# KiCad board Mu-cyberdeck-carrier.kicad_pcb (continued)
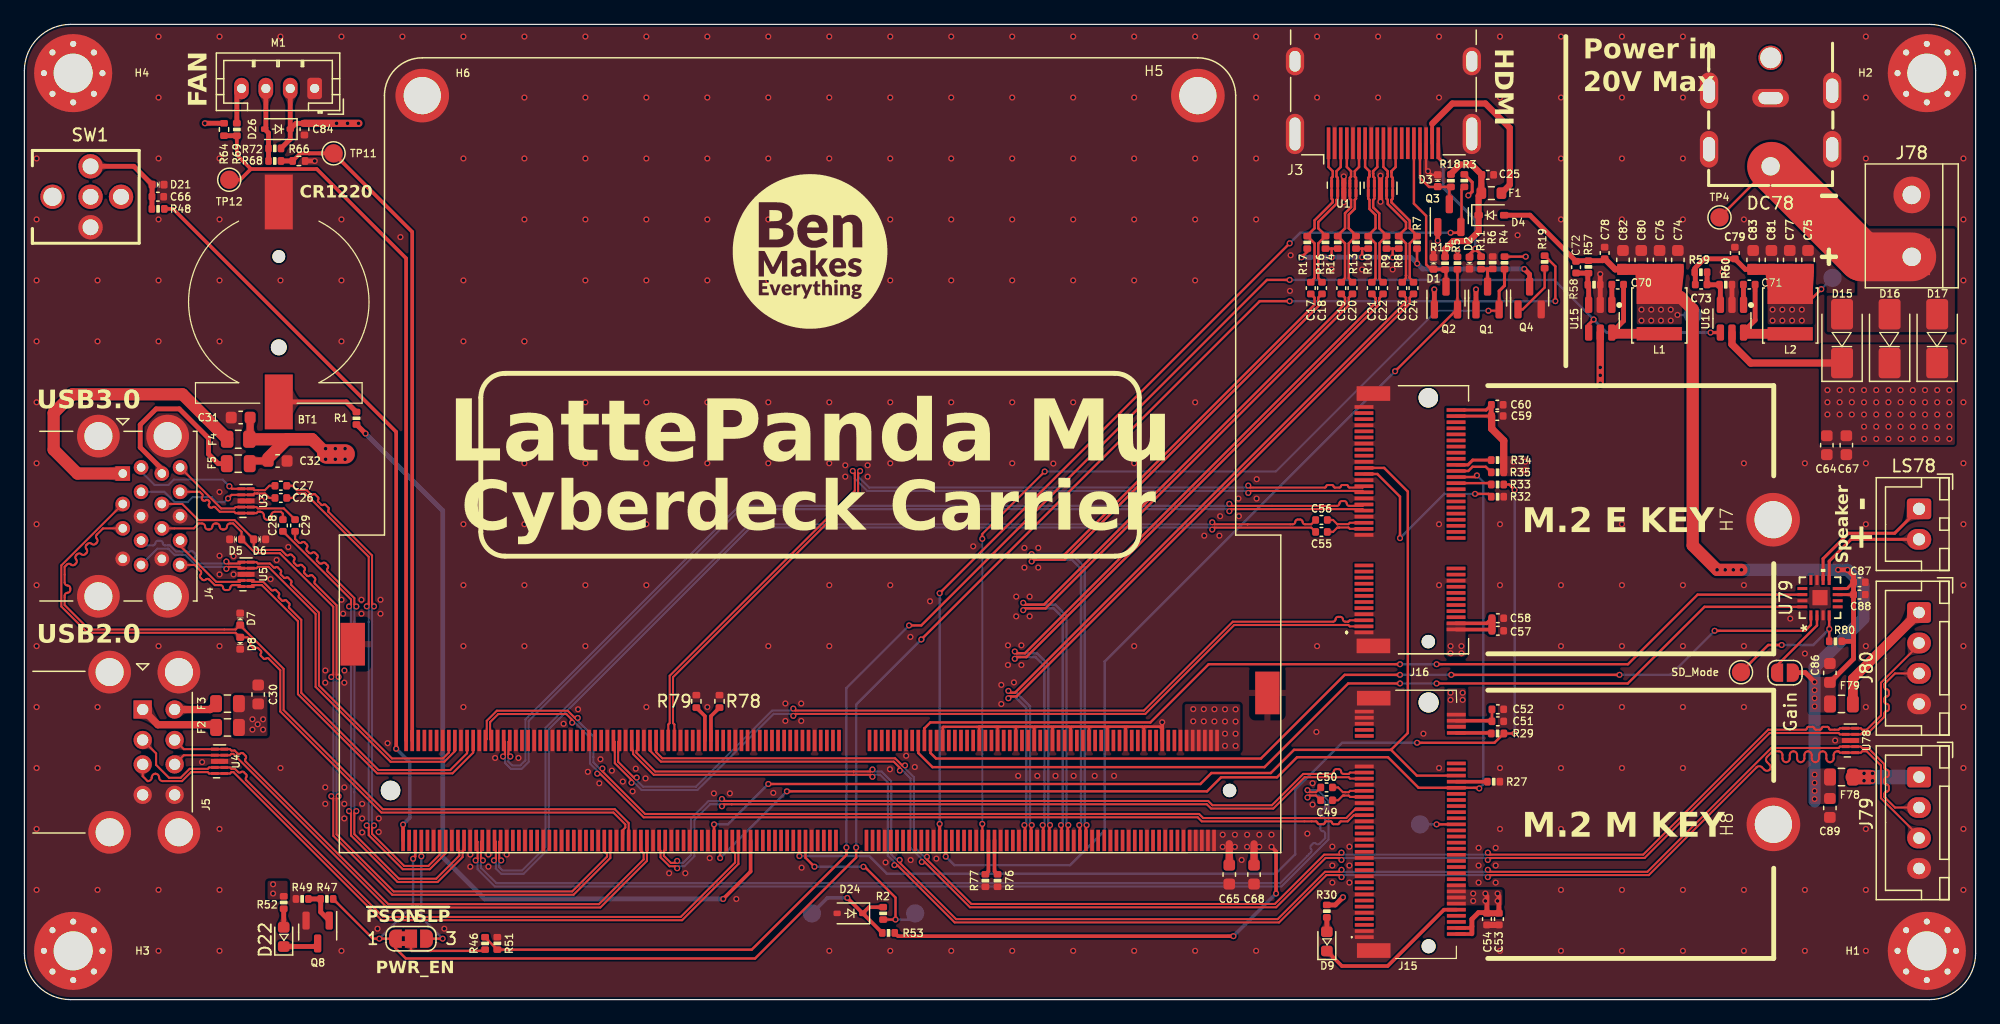
[diagram p0: board, top side]
## Routing (per net, layer and track width the routed paths; a pad name or vN(x,y) marks a point on that pad's centre or on a via; arc(x,y) is an arc through that point) (continued)
/LattePanda Module/HSIO_0_TX-: length 41.2
  Top w0.17: A1.15 34.55,12.01 33.24,10.7 31.03,10.7 28.24,13.49 28.24,14.12 v1(28.07,14.29) ; C26.1 21.98,41.15 22.34,41.52 23.04,41.52 28.24,36.32 28.24,32.43 v1(28.07,32.26)
  Bottom w0.17: v1(28.07,32.26) 28.24,32.1 28.24,31 28.24,14.45 v1(28.07,14.29)
/LattePanda Module/HSIO_1_TX+: length 39.8
  Top w0.17: C29.1 22.2,37.8 22.49,37.5 arc(22.62,37.45) 22.74,37.5 arc(22.87,37.55) 22.99,37.5 23.17,37.32 arc(23.22,37.2) 23.17,37.08 arc(23.11,36.95) 23.17,36.83 23.34,36.65 arc(23.47,36.6) 23.59,36.65 arc(23.71,36.7) 23.84,36.65 24.01,36.48 arc(24.07,36.35) 24.01,36.23 arc(23.96,36.1) 24.01,35.98 24.19,35.8 arc(24.32,35.75) 24.44,35.8 arc(24.56,35.85) 24.69,35.8 24.86,35.63 arc(24.91,35.5) 24.86,35.38 arc(24.81,35.25) 24.86,35.13 27.06,32.94 27.06,32.41 v1(27.22,32.25) ; 35.55,12.33 35.66,12.22 35.66,11.81 33.77,9.92 30.71,9.92 27.06,13.57 27.06,15.3 v1(27.22,15.47)
  Bottom w0.17: v1(27.22,32.25) 27.06,32.08 27.06,31 27.06,15.63 v1(27.22,15.47)
/LattePanda Module/HSIO_1_TX-: length 39.8
  Top w0.17: C28.1 26.78,32.82 26.78,32.41 v1(26.62,32.25) ; 36.05,12.33 35.94,12.22 35.94,11.7 33.88,9.65 30.6,9.65 26.78,13.46 26.78,15.3 v1(26.62,15.47)
  Bottom w0.17: v1(26.62,32.25) 26.78,32.08 26.78,31 26.78,15.63 v1(26.62,15.47)
/LattePanda Module/HSIO_2_RX+: length 79.4
  Top w0.17: J15.43 109.12,15.63 108.39,14.89 96.66,14.89 96.33,15.23 50.9,15.23 47.4,18.73 v1(47.4,18.96) ; A1.28 37.91,21.37 37.91,22.87 38.74,23.7 44.55,23.7 45.14,23.11 v1(45.37,23.11)
  Bottom w0.17: v1(45.37,23.11) 45.37,22.88 46.66,21.59 46.66,19.47 47.16,18.96 v1(47.4,18.96)
/LattePanda Module/HSIO_2_RX-: length 79.4
  Top w0.17: v1(46.97,18.54) 47.21,18.54 50.79,14.95 96.22,14.95 96.55,14.62 105.92,14.62 arc(106,14.59) 106.03,14.51 arc(106.07,14.42) 106.15,14.39 106.52,14.39 arc(106.6,14.42) 106.63,14.51 arc(106.67,14.59) 106.75,14.62 107.12,14.62 arc(107.2,14.59) 107.23,14.51 arc(107.27,14.42) 107.35,14.39 107.72,14.39 arc(107.8,14.42) 107.83,14.51 arc(107.87,14.59) 107.95,14.62 108.51,14.62 109.01,15.13 J15.41 ; v1(44.92,22.72) 44.92,22.95 44.44,23.43 38.85,23.43 38.19,22.76 38.19,21.37 A1.30
  Bottom w0.17: v1(44.92,22.72) 45.15,22.72 46.38,21.48 46.38,19.36 46.97,18.77 v1(46.97,18.54)
/LattePanda Module/HSIO_2_TX+: length 81.1
  Top w0.17: A1.25 37.16,12.94 37.16,11.58 v1(37,11.42) ; v1(105.21,17.18) 105.38,17.02 105.91,17.02 C49.1
  Bottom w0.17: v1(105.21,17.18) 106.07,17.18 106.94,16.31 106.94,13.13 103.08,9.28 38.58,9.28 37.16,10.7 37.16,11.25 v1(37,11.42)
/LattePanda Module/HSIO_2_TX-: length 81.1
  Top w0.17: v1(37.6,11.42) 37.44,11.58 37.44,12.94 A1.27 ; v1(105.21,16.58) 105.38,16.74 105.91,16.74 C50.1
  Bottom w0.17: v1(37.6,11.42) 37.44,11.25 37.44,10.81 38.7,9.55 102.97,9.55 105.5,12.08 arc(105.56,12.22) 105.5,12.36 arc(105.44,12.5) 105.5,12.64 105.65,12.79 arc(105.79,12.84) 105.93,12.79 arc(106.06,12.73) 106.2,12.79 106.66,13.25 106.66,13.62 arc(106.61,13.76) 106.47,13.82 arc(106.33,13.87) 106.27,14.01 106.27,14.22 arc(106.33,14.36) 106.47,14.42 arc(106.61,14.47) 106.66,14.61 106.66,14.82 arc(106.61,14.96) 106.47,15.02 arc(106.33,15.07) 106.27,15.21 106.27,15.42 arc(106.33,15.56) 106.47,15.62 arc(106.61,15.67) 106.66,15.81 106.66,16.2 106.12,16.74 105.38,16.74 v1(105.21,16.58)
/LattePanda Module/HSIO_3_RX+: length 84.3
  Top w0.17: 39.3,20.53 A1.34 39.41,21.14 39.41,20.11 v1(39.25,19.94) ; v1(98.8,40.07) 98.97,40.23 109.73,40.23 J16.41
  Bottom w0.17: v1(98.8,40.07) 98.64,40.23 58.72,40.23 41.35,22.87 41.35,19.51 40.78,18.94 39.89,18.94 39.41,19.41 39.41,19.78 v1(39.25,19.94)
/LattePanda Module/HSIO_3_RX-: length 84.3
  Top w0.17: J16.43 109.73,40.5 108.63,40.5 arc(108.49,40.56) 108.43,40.7 arc(108.38,40.84) 108.24,40.9 108.03,40.9 arc(107.89,40.84) 107.83,40.7 arc(107.78,40.56) 107.64,40.5 98.97,40.5 v1(98.8,40.67) ; 39.8,20.53 A1.36 39.69,21.14 39.69,20.11 v1(39.85,19.95)
  Bottom w0.17: v1(39.85,19.95) 39.69,19.78 39.69,19.53 40,19.21 40.67,19.21 41.08,19.62 41.08,22.98 58.6,40.5 98.64,40.5 v1(98.8,40.67)
/LattePanda Module/HSIO_3_TX+: length 87.7
  Top w0.17: v1(38.5,11.42) 38.66,11.58 38.66,12.94 A1.31 ; C55.1 105.53,38.72 97.56,38.72 v1(97.4,38.56)
  Bottom w0.17: v1(97.4,38.56) 97.24,38.72 59.53,38.72 43,22.19 43,12.39 40.94,10.33 39.09,10.33 38.66,10.75 38.66,11.25 v1(38.5,11.42)
/LattePanda Module/HSIO_3_TX-: length 87.7
  Top w0.17: C56.1 105.53,38.99 105.01,38.99 arc(104.87,39.05) 104.81,39.19 arc(104.75,39.33) 104.61,39.39 104.41,39.39 arc(104.27,39.33) 104.21,39.19 arc(104.15,39.05) 104.01,38.99 97.56,38.99 v1(97.4,39.16) ; v1(39.1,11.42) 38.94,11.58 38.94,12.94 A1.33
  Bottom w0.17: v1(39.1,11.42) 38.94,11.25 38.94,10.87 39.2,10.6 40.82,10.6 42.73,12.5 42.73,22.3 59.42,38.99 97.24,38.99 v1(97.4,39.16)
/LattePanda Module/REFCLK0+: length 64.8
  Top w0.17: v1(53.53,10.78) 53.36,10.94 52.9,10.94 52.16,11.68 52.16,12.22 52.05,12.33 A1.85 ; J15.53 108.71,18.13 108.59,18.24 104.98,18.24 102.41,15.67 97.31,15.67 96.96,16.03 57.36,16.03 v1(57.2,15.86)
  Bottom w0.17: v1(57.2,15.86) 57.03,16.03 56.22,16.03 54.94,14.74 54.94,11.76 54.12,10.94 53.69,10.94 v1(53.53,10.78)
/LattePanda Module/REFCLK0-: length 64.8
  Top w0.17: v1(57.2,16.46) 57.36,16.3 58,16.3 97.07,16.3 97.42,15.95 102.3,15.95 104.86,18.51 107.17,18.51 arc(107.31,18.57) 107.37,18.71 arc(107.43,18.85) 107.57,18.91 107.77,18.91 arc(107.91,18.85) 107.97,18.71 arc(108.03,18.57) 108.17,18.51 108.59,18.51 108.71,18.63 J15.55 ; A1.87 52.55,12.33 52.44,12.22 52.44,11.79 53.01,11.21 53.36,11.21 v1(53.53,11.38)
  Bottom w0.17: v1(57.2,16.46) 57.03,16.3 56.1,16.3 54.66,14.86 54.66,11.87 54.01,11.21 53.69,11.21 v1(53.53,11.38)
/LattePanda Module/REFCLK3+: length 71.6
  Top w0.17: A1.88 52.8,22.57 52.91,22.68 52.91,26.56 68.09,41.74 68.09,43.2 v1(67.93,43.37) ; v1(100.35,41.57) 100.52,41.73 109.73,41.73 J16.47
  Bottom w0.17: v1(100.35,41.57) 100.19,41.73 69.11,41.73 68.09,42.75 68.09,43.2 v1(67.93,43.37)
/LattePanda Module/REFCLK3-: length 71.6
  Top w0.17: A1.90 53.3,22.57 53.19,22.68 53.19,26.45 68.37,41.63 68.37,43.2 v1(68.53,43.37) ; v1(100.35,42.17) 100.52,42 106.64,42 arc(106.72,42.03) 106.75,42.11 arc(106.78,42.18) 106.85,42.21 107.24,42.21 arc(107.32,42.18) 107.35,42.11 arc(107.38,42.03) 107.45,42 107.84,42 arc(107.92,42.03) 107.95,42.11 arc(107.98,42.18) 108.05,42.21 108.44,42.21 arc(108.52,42.18) 108.55,42.11 arc(108.58,42.03) 108.65,42 109.73,42 J16.49
  Bottom w0.17: v1(100.35,42.17) 100.19,42 69.27,42 68.37,42.91 68.37,43.2 v1(68.53,43.37)
/LattePanda Module/SLS_S3: length 10.1
  Top w0.2: A1.7 v1(32.55,11.76) ; v1(34.3,5) JP79.3
  Bottom w0.2: v1(34.3,5) 32.55,6.75 v1(32.55,11.76)
/LattePanda Module/SUSCLK_WIFI: length 89.5
  Top w0.2: R33.2 121.75,42.26 v1(122.2,41.81) ; v1(122.2,21.83) R29.2 120.55,21.07 v1(114.2,21.07) ; v1(63.55,11.78) A1.131
  Bottom w0.2: 63.59,11.74 v1(63.55,11.78) 69.28,11.78 70.73,10.33 102.61,10.33 104.21,11.92 104.21,17.22 108.05,21.07 v1(114.2,21.07) ; v1(122.2,41.81) v1(122.2,21.83)
/LattePanda Module/USB_2_P7+: length 70.2
  Top w0.17: J16.3 108.68,30.62 108.57,30.73 99.21,30.73 91.92,23.44 63.21,23.44 v1(63.05,23.28) ; A1.70 48.41,21.14 48.41,19.39 49.79,18.02 v1(49.79,17.79)
  Bottom w0.17: v1(49.79,17.79) 50.02,17.79 50.61,17.19 55.19,17.19 61.44,23.44 62.88,23.44 v1(63.05,23.28)
/LattePanda Module/USB_2_P7-: length 70.2
  Top w0.17: v1(50.21,18.21) 49.98,18.21 48.69,19.51 48.69,21.14 A1.72 ; J16.5 108.68,31.12 108.57,31 108.31,31 arc(108.17,31.06) 108.12,31.2 arc(108.06,31.34) 107.92,31.4 107.71,31.4 arc(107.57,31.34) 107.52,31.2 arc(107.46,31.06) 107.32,31 99.09,31 91.8,23.71 63.21,23.71 v1(63.05,23.88)
  Bottom w0.17: v1(50.21,18.21) 50.21,17.98 50.73,17.47 55.08,17.47 61.32,23.71 62.88,23.71 v1(63.05,23.88)
/LattePanda Module/~{PWR_SW}: length 60.8
  Top w0.3: v1(30.48,20.58) 30.48,46.57 12.19,64.87 R48.2 ; v1(31.05,14.36) A1.1
  Bottom w0.3: v1(30.48,20.58) 31.61,19.45 31.61,14.92 v1(31.05,14.36)
/M.2 E&M Key/CON_PCIE_TX_0+: length 3.2
  Top w0.17: J16.35 108.68,38.62 108.57,38.73 107.81,38.73 107.8,38.72 107.66,38.72 107.31,38.37 C55.2
/M.2 E&M Key/CON_PCIE_TX_0-: length 3.2
  Top w0.17: C56.2 107.31,39.35 107.66,38.99 107.69,38.99 107.7,39 108.57,39 108.68,39.12 J16.37
/M.2 E&M Key/CON_PCIE_TX_1+: length 2.8
  Top w0.17: J15.49 108.71,17.13 108.59,17.01 108.3,17.01 108.3,17.02 108.11,17.02 107.73,17.41 C49.2
/M.2 E&M Key/CON_PCIE_TX_1-: length 2.8
  Top w0.17: C50.2 107.73,16.35 108.11,16.74 108.19,16.74 108.2,16.74 108.59,16.74 108.71,16.63 J15.47
/M.2 E&M Key/~{CLKREQE}: length 16
  Top w0.2: J16.53 110.94,43.12 112.8,41.26 112.8,38.06 ; R32.1 120.06,41.49 v1(118.95,41.49)
  Bottom w0.2: v1(118.95,41.49) 116.43,41.49 v1(112.8,37.86)
/M.2 E&M Key/~{CLKREQM}: length 2.6
  Top w0.3: J15.52 R27.1
/PSU/PWR_EN: length 135.5
  Top w0.2: R46.2 37.78,5.1 R51.2 59.64,4.1 67.4,11.86 v1(67.4,12.48) ; v1(103.76,59.04) 101.89,59.04 73.54,30.69 v1(72.54,30.69)
  Top w0.25: v1(138.26,54.72) U16.4 ; v1(128.68,55.79) 128.27,55.38 U15.4
  Bottom w0.2: v1(103.76,59.04) 125.43,59.04 v1(128.68,55.79) ; v1(72.54,30.69) 67.4,25.56 v1(67.4,12.48)
  Bottom w0.25: v1(138.26,54.72) 129.75,54.72 v1(128.68,55.79)
/USB2.0&USB3.0/CON_USB1_D_N: length 60
  Top w0.17: A1.109 58.05,12.22 58.28,12 58.28,11.24 53.82,6.79 29.41,6.79 18.19,18.01 arc(18.14,18.12) 18.19,18.24 arc(18.24,18.35) 18.19,18.47 18,18.66 arc(17.88,18.71) 17.76,18.66 arc(17.65,18.61) 17.53,18.66 17.26,18.93 16.98,18.93 16.86,19.05 U4.2 U4.9 15.15,19.05 15.03,18.93 13.55,18.93 12.81,18.2 11.86,18.2 10.8,19.26 10.8,20.2 J5.2
/USB2.0&USB3.0/CON_USB1_D_P: length 60
  Top w0.17: A1.111 58.55,11.13 53.93,6.51 29.29,6.51 17.15,18.66 16.98,18.66 16.86,18.55 U4.1 U4.10 15.15,18.55 15.03,18.66 13.66,18.66 12.93,17.93 11.34,17.93 arc(11.13,18.01) 11.04,18.23 11.04,18.23 arc(10.96,18.44) 10.74,18.53 arc(10.53,18.44) 10.44,18.23 10.44,18.23 arc(10.36,18.01) 10.14,17.93 10.1,17.93 9.7,18.33 J5.3
/USB2.0&USB3.0/CON_USB2_D_N: length 47.6
  Top w0.17: A1.79 50.55,12.22 50.78,12 50.78,11.49 47.11,7.83 29.84,7.83 18.14,19.54 arc(18.09,19.65) 18.14,19.77 arc(18.19,19.88) 18.14,20 17.94,20.19 arc(17.83,20.24) 17.71,20.19 arc(17.6,20.14) 17.48,20.19 17.24,20.43 16.98,20.43 16.86,20.55 U4.5 U4.6 13.07,20.55 J5.6
/USB2.0&USB3.0/CON_USB2_D_P: length 47.6
  Top w0.17: J5.7 13.07,20.05 U4.7 U4.4 16.86,20.05 16.98,20.16 17.13,20.16 29.73,7.56 47.23,7.56 51.05,11.38 A1.81
/USB2.0&USB3.0/CON_USB3_D_N: length 68.2
  Top w0.17: J4.2 3.03,35.62 3.03,32.25 5.19,30.09 17.32,30.09 D8.2 18.28,29.72 18.55,29.46 arc(18.59,29.36) 18.55,29.25 arc(18.5,29.15) 18.55,29.05 18.76,28.83 arc(18.87,28.79) 18.97,28.83 arc(19.07,28.87) 19.17,28.83 19.39,28.61 arc(19.44,28.51) 19.39,28.4 arc(19.35,28.3) 19.39,28.2 19.61,27.98 arc(19.72,27.94) 19.82,27.98 arc(19.92,28.02) 20.02,27.98 20.98,27.02 20.98,23.64 29.28,15.35 48.3,15.35 49.28,14.37 49.28,14.12 49.05,13.89 A1.73
/USB2.0&USB3.0/CON_USB3_D_P: length 68.2
  Top w0.17: D7.2 17.32,30.36 5.3,30.36 3.3,32.36 3.3,33.14 arc(3.37,33.31) 3.53,33.37 arc(3.7,33.44) 3.76,33.6 3.76,33.74 arc(3.7,33.91) 3.53,33.97 arc(3.37,34.04) 3.3,34.2 3.3,35.5 3.49,35.69 arc(3.65,35.76) 3.81,35.69 arc(3.98,35.62) 4.14,35.69 4.24,35.79 arc(4.31,35.95) 4.24,36.12 arc(4.17,36.28) 4.24,36.44 4.34,36.54 arc(4.5,36.61) 4.66,36.54 arc(4.83,36.47) 4.99,36.54 5.09,36.64 arc(5.16,36.8) 5.09,36.97 arc(5.02,37.13) 5.09,37.29 5.18,37.39 arc(5.35,37.46) 5.51,37.39 arc(5.68,37.32) 5.84,37.39 5.94,37.49 arc(6,37.65) 5.94,37.81 arc(5.87,37.98) 5.94,38.14 6.45,38.66 7.57,38.66 ; 17.7,30.69 21.25,27.13 21.25,23.75 29.39,15.62 48.41,15.62 49.55,14.48 A1.75
/USB2.0&USB3.0/CON_USB3_SSRX_N: length 38.5
  Top w0.17: A1.18 35.3,20.38 34.44,19.51 30.02,19.51 23.88,25.66 23.88,31.63 20.01,35.5 19.15,35.5 19.03,35.39 U5.4 U5.7 17.67,35.5 16.73,35.5 v1(16.56,35.34)
  Bottom w0.17: v1(16.56,35.34) 16.4,35.5 14.19,35.5 13.2,36.48 12.32,36.48 11.81,36.99 10.9,36.99 J4.5
/USB2.0&USB3.0/CON_USB3_SSRX_P: length 38.5
  Top w0.17: v1(16.56,35.94) 16.73,35.77 17.67,35.77 U5.6 U5.5 19.03,35.89 19.15,35.77 20.13,35.77 20.44,35.46 arc(20.52,35.42) 20.61,35.46 arc(20.69,35.49) 20.78,35.46 21.03,35.2 arc(21.07,35.12) 21.03,35.04 arc(21,34.95) 21.03,34.87 21.29,34.61 arc(21.37,34.58) 21.46,34.61 arc(21.54,34.65) 21.63,34.61 21.88,34.36 arc(21.92,34.27) 21.88,34.19 arc(21.85,34.1) 21.88,34.02 24.15,31.75 24.15,25.77 30.14,19.78 34.32,19.78 34.8,20.26 A1.16
  Bottom w0.17: v1(16.56,35.94) 16.4,35.77 14.3,35.77 14,36.07 arc(13.95,36.2) 14,36.33 arc(14.06,36.46) 14,36.59 13.84,36.76 arc(13.71,36.81) 13.58,36.76 arc(13.45,36.7) 13.32,36.76 12.43,36.76 11.92,37.26 11.53,37.26 arc(11.4,37.32) 11.35,37.45 arc(11.29,37.58) 11.16,37.63 10.93,37.63 arc(10.8,37.58) 10.75,37.45 arc(10.69,37.32) 10.56,37.26 9.96,37.26 9.89,37.34
/USB2.0&USB3.0/CON_USB3_SSTX_N: length 11.9
  Top w0.17: C26.2 20.09,41.15 19.72,41.52 19.09,41.52 19.09,41.52 18.86,41.52 18.75,41.41 ; v1(16.7,41.11) 16.99,41.41 U3.7 U3.4
  Bottom w0.17: J4.8 11.47,41.66 12.33,40.8 13.39,40.8 13.81,41.22 15.38,41.22 15.8,40.8 16.39,40.8 v1(16.7,41.11)
/USB2.0&USB3.0/CON_USB3_SSTX_P: length 11.9
  Top w0.17: U3.5 U3.6 17.01,41.91 v1(16.81,42.11) ; C27.2 20.09,42.15 19.72,41.79 19.19,41.79 19.19,41.79 18.86,41.79 18.75,41.91
  Bottom w0.17: 9.57,43.32 10.68,42.21 11.8,42.21 12.24,42.65 16.26,42.65 v1(16.81,42.11)
/USB2.0&USB3.0/CON_USB4_D_N: length 65
  Top w0.17: v1(25.77,16.69) 25.6,16.52 25.6,13.55 30.28,8.87 44.92,8.87 47.78,11.73 47.78,11.93 47.55,12.16 A1.67 ; J4.11 12.95,40.66 14.27,39.33 17.23,39.33 D6.2 18.81,37.14 19.06,36.89 21.06,36.89 21.47,36.48 arc(21.58,36.43) 21.7,36.48 arc(21.81,36.53) 21.92,36.48 22.12,36.28 arc(22.17,36.17) 22.12,36.05 arc(22.07,35.94) 22.12,35.83 22.32,35.63 arc(22.43,35.58) 22.54,35.63 arc(22.66,35.68) 22.77,35.63 22.97,35.44 arc(23.02,35.32) 22.97,35.21 arc(22.92,35.09) 22.97,34.98 23.16,34.78 arc(23.28,34.73) 23.39,34.78 arc(23.51,34.83) 23.62,34.78 23.82,34.59 arc(23.86,34.47) 23.82,34.36 arc(23.77,34.24) 23.82,34.13 25.6,32.35 25.6,26.63 v1(25.77,26.46)
  Bottom w0.17: v1(25.77,26.46) 25.6,26.3 25.6,16.85 v1(25.77,16.69)
/USB2.0&USB3.0/CON_USB4_D_P: length 65
  Top w0.17: v1(25.16,26.46) 25.33,26.63 25.33,32.23 20.94,36.62 18.95,36.62 D5.2 17.81,38.37 17.12,39.06 16.86,39.06 arc(16.69,38.99) 16.61,38.81 arc(16.54,38.64) 16.37,38.57 16.26,38.57 arc(16.09,38.64) 16.01,38.81 arc(15.94,38.99) 15.77,39.06 15.66,39.06 arc(15.49,38.99) 15.41,38.81 arc(15.34,38.64) 15.17,38.57 15.06,38.57 arc(14.89,38.64) 14.81,38.81 arc(14.74,38.99) 14.57,39.06 14.3,39.06 13.9,38.66 J4.12 ; v1(25.16,16.69) 25.33,16.52 25.33,13.44 30.16,8.6 45.03,8.6 48.05,11.62 A1.69
  Bottom w0.17: v1(25.16,26.46) 25.33,26.3 25.33,16.85 v1(25.16,16.69)
/USB2.0&USB3.0/CON_USB4_SSRX_N: length 37.3
  Top w0.17: J4.14 13.96,35.66 14.45,35.17 arc(14.5,35.03) 14.45,34.88 arc(14.39,34.74) 14.45,34.6 14.58,34.46 arc(14.73,34.4) 14.87,34.46 arc(15.01,34.52) 15.15,34.46 15.61,34 16.09,34 arc(16.23,33.94) 16.29,33.8 arc(16.35,33.66) 16.49,33.6 16.69,33.6 arc(16.83,33.66) 16.89,33.8 arc(16.95,33.94) 17.09,34 17.67,34 U5.10 U5.1 18.68,34 19.47,34 22.43,31.04 22.43,25.05 28.92,18.56 35.1,18.56 36.8,20.26 A1.24
/USB2.0&USB3.0/CON_USB4_SSRX_P: length 37.4
  Top w0.17: A1.22 36.3,20.21 34.92,18.83 29.04,18.83 22.7,25.17 22.7,31.15 21.72,32.13 arc(21.68,32.23) 21.72,32.32 arc(21.76,32.41) 21.72,32.5 21.48,32.74 arc(21.39,32.78) 21.29,32.74 arc(21.2,32.7) 21.11,32.74 20.87,32.98 arc(20.83,33.07) 20.87,33.16 arc(20.91,33.26) 20.87,33.35 20.63,33.59 arc(20.54,33.63) 20.45,33.59 arc(20.36,33.55) 20.26,33.59 19.58,34.27 18.68,34.27 U5.2 U5.9 17.67,34.27 15.73,34.27 12.77,37.23 J4.15
/USB2.0&USB3.0/CON_USB4_SSTX_N: length 11.3
  Top w0.17: C28.2 21.2,39.86 21.04,40.02 20.54,40.02 arc(20.33,39.93) 20.24,39.72 20.24,39.65 arc(20.15,39.44) 19.94,39.35 arc(19.73,39.44) 19.64,39.65 19.64,39.72 arc(19.55,39.93) 19.34,40.02 19.15,40.02 19.03,39.91 U3.1 U3.10 17.32,39.91 17.2,40.02 16.02,40.02 15.65,40.39 arc(15.54,40.43) 15.43,40.39 arc(15.32,40.34) 15.21,40.39 15.15,40.45 arc(15.1,40.56) 15.15,40.67 arc(15.19,40.78) 15.15,40.89 15.09,40.95 arc(14.97,41) 14.86,40.95 arc(14.75,40.91) 14.64,40.95 14.58,41.02 arc(14.53,41.13) 14.58,41.24 arc(14.63,41.35) 14.58,41.46 14.38,41.66 J4.17
/USB2.0&USB3.0/CON_USB4_SSTX_P: length 11.3
  Top w0.17: J4.18 16.13,40.29 17.2,40.29 17.32,40.41 U3.9 U3.2 19.03,40.41 19.15,40.29 21.28,40.29 C29.2
/~{PLT_RST}: length 96.1
  Top w0.2: v1(62.52,17.08) 96.97,17.08 98.12,18.24 102.71,18.24 104.36,19.88 111.82,19.88 114.32,17.38 J15.50 119.25,17.38 v1(119.3,17.33) ; v1(119.11,43) 118.98,42.87 J16.52 ; A1.105 v1(57.05,11.61)
  Bottom w0.2: 119.19,42.87 119.19,42.92 v1(119.11,43) 119.63,42.48 119.63,17.66 v1(119.3,17.33) ; v1(62.52,17.08) v1(57.05,11.61)
/~{PWR_LED}/~{PSON}: length 145.4
  Top w0.2: v1(125.54,57.3) 125.54,60.15 124.76,60.93 ; A1.5 32.05,11.73 v1(31.88,11.55) ; v1(68.2,12.48) 68.2,11.66 59.91,3.37 31.27,3.37 30.4,4.24 JP79.1 v1(29.1,5) 28.57,5 R47.1 ; v1(103.76,57.3) 101.3,57.3 v1(73.54,29.54)
  Bottom w0.2: v1(29.1,5) 31.88,7.77 v1(31.88,11.55) ; v1(73.54,29.54) 68.2,24.2 v1(68.2,12.48) ; 103.96,57.3 v1(125.54,57.3)
/~{WAKE}: length 91.8
  Top w0.2: J15.54 114.18,18.38 112.06,20.49 ; 112.06,20.49 113.44,21.87 113.44,41.68 111.5,43.62 J16.55 ; 112.06,20.49 104.11,20.49 102.2,18.59 97.33,18.59 96.44,17.69 v1(61,17.69) ; A1.103 v1(56.55,14.38)
  Bottom w0.2: v1(56.55,14.38) 57.69,14.38 v1(61,17.69)
Audio_Data: length 78.7
  Top w0.2: U79.1 146.49,30.74 146.01,30.26 v1(138.6,30.26) ; v1(117,26.64) v1(130.8,26.64) ; v1(112.8,26.64) 108.26,26.64 101.4,19.78 74.76,19.78 74.3,20.23 A1.166
  Bottom w0.2: v1(117,26.64) v1(112.8,26.64) ; v1(138.6,30.26) 134.98,26.64 v1(130.8,26.64)
BCLK: length 79.4
  Top w0.2: v1(112.8,25.94) 108.55,25.94 101.69,19.07 74.46,19.07 73.3,20.23 A1.162 ; 116,25.94 131.48,25.94 137.77,32.22 U79.16
  Bottom w0.2: v1(112.8,25.94) 116,25.94
  vias: v1(115.8,25.94)
LRCLK: length 77.5
  Top w0.2: A1.164 73.8,22.26 73.81,22.26 74.29,22.74 92.33,22.74 97.11,27.51 v1(112.8,27.51) ; 116,27.51 131.49,27.51 137.2,33.22 U79.14
  Bottom w0.2: v1(112.8,27.51) 116,27.51
  vias: v1(115.8,27.51)
PWR: length 7.6
  Top w0.4: 10.48,65.88 D21.2 8.98,68.36 SW1.1 ; C66.1 10.46,64.88
USB_2_FP1+: length 133.1
  Top w0.17: v1(120,10.05) 120.16,10.21 133.2,10.21 142.05,19.06 arc(142.26,19.15) 142.47,19.06 142.68,18.85 arc(142.89,18.77) 143.11,18.85 arc(143.19,19.07) 143.11,19.28 142.9,19.49 arc(142.81,19.7) 142.9,19.91 143.36,20.37 143.86,20.37 arc(144.07,20.28) 144.16,20.07 144.16,19.78 arc(144.25,19.56) 144.46,19.48 arc(144.67,19.56) 144.76,19.78 144.76,20.07 arc(144.85,20.28) 145.06,20.37 arc(145.27,20.28) 145.36,20.07 145.36,19.78 arc(145.45,19.56) 145.66,19.48 arc(145.87,19.56) 145.96,19.78 145.96,20.07 arc(146.05,20.28) 146.26,20.37 arc(146.47,20.28) 146.56,20.07 146.56,19.78 arc(146.65,19.56) 146.86,19.48 arc(147.07,19.56) 147.16,19.78 147.16,20.07 arc(147.25,20.28) 147.46,20.37 arc(147.67,20.28) 147.76,20.07 147.76,19.78 arc(147.85,19.56) 148.06,19.48 arc(148.27,19.56) 148.36,19.78 148.36,20.07 arc(148.45,20.28) 148.66,20.37 148.76,20.37 148.88,20.26 U78.10 U78.1 150.59,20.26 150.7,20.37 151.07,20.37 152.24,19.21 152.24,16.52 155.36,13.4 ; v1(71.34,11.03) 71.58,11.03 76.28,6.33 102.88,6.33 106.76,10.21 107.84,10.21 v1(108,10.05) ; v1(69.54,18.28) 69.38,18.44 68,18.44 51.61,18.44 49.91,20.14 49.91,20.42 49.8,20.53 A1.76
  Bottom w0.17: v1(120,10.05) 119.84,10.21 108.17,10.21 v1(108,10.05) ; v1(69.54,18.28) 69.71,18.44 70.17,18.44 70.8,17.81 70.8,11.81 71.34,11.27 v1(71.34,11.03)
USB_2_FP1-: length 133.1
  Top w0.17: A1.78 50.3,20.53 50.19,20.42 50.19,20.25 51.72,18.72 69.38,18.72 v1(69.54,18.88) ; v1(71.77,11.46) 71.77,11.23 76.4,6.6 102.77,6.6 106.65,10.48 107.84,10.48 v1(108,10.65) ; J79.2 153.39,15.76 152.51,16.64 152.51,16.87 arc(152.56,17) 152.7,17.06 arc(152.83,17.11) 152.89,17.25 152.89,17.47 arc(152.83,17.6) 152.7,17.66 arc(152.56,17.71) 152.51,17.85 152.51,18.07 arc(152.56,18.2) 152.7,18.26 arc(152.83,18.31) 152.89,18.45 152.89,18.67 arc(152.83,18.8) 152.7,18.86 arc(152.56,18.91) 152.51,19.05 152.51,19.32 151.18,20.64 150.7,20.64 150.59,20.76 U78.2 U78.9 148.88,20.76 148.76,20.64 143.27,20.64 143.25,20.65 133.09,10.48 120.16,10.48 v1(120,10.65)
  Bottom w0.17: v1(71.77,11.46) 71.54,11.46 71.07,11.92 71.07,17.53 71.07,14.12 71.07,17.93 70.28,18.72 69.71,18.72 v1(69.54,18.88) ; v1(108,10.65) 108.17,10.48 119.84,10.48 v1(120,10.65)
USB_2_FP2+: length 124.6
  Top w0.17: v1(120,11.46) 120.16,11.62 132.86,11.62 143.11,21.87 148.76,21.87 148.88,21.76 U78.7 U78.4 150.59,21.76 150.7,21.87 151.18,21.87 152.51,23.2 152.51,23.47 arc(152.56,23.61) 152.7,23.66 arc(152.83,23.72) 152.89,23.85 152.89,24.07 arc(152.83,24.21) 152.7,24.26 arc(152.56,24.32) 152.51,24.45 152.51,24.67 arc(152.56,24.81) 152.7,24.86 arc(152.83,24.92) 152.89,25.05 152.89,25.27 arc(152.83,25.41) 152.7,25.46 arc(152.56,25.52) 152.51,25.65 152.51,25.88 153.39,26.76 J80.3 ; A1.82 51.3,20.42 52.2,19.52 71.29,19.52 71.79,19.02 v1(71.79,18.79) ; v1(73.59,11.29) 73.82,11.29 77.54,7.57 102.65,7.57 106.69,11.62 107.84,11.62 v1(108,11.46)
  Bottom w0.17: v1(108,11.46) 108.17,11.62 119.84,11.62 v1(120,11.46) ; v1(71.79,18.79) 72.02,18.79 72.66,18.14 72.66,12.45 73.59,11.52 v1(73.59,11.29)
USB_2_FP2-: length 124.6
  Top w0.17: 155.36,29.12 152.24,25.99 152.24,23.31 151.07,22.14 150.7,22.14 150.59,22.26 U78.5 U78.6 148.88,22.26 148.76,22.14 148.09,22.14 arc(148.01,22.18) 147.97,22.26 arc(147.94,22.34) 147.86,22.38 147.49,22.38 arc(147.41,22.34) 147.37,22.26 arc(147.34,22.18) 147.26,22.14 146.89,22.14 arc(146.81,22.18) 146.77,22.26 arc(146.74,22.34) 146.66,22.38 146.29,22.38 arc(146.21,22.34) 146.17,22.26 arc(146.14,22.18) 146.06,22.14 142.99,22.14 132.74,11.89 120.16,11.89 v1(120,12.06) ; v1(72.21,19.21) 71.98,19.21 71.4,19.79 52.31,19.79 51.8,20.3 A1.84 ; v1(74.01,11.72) 74.01,11.48 77.65,7.85 102.53,7.85 106.58,11.89 107.84,11.89 v1(108,12.06)
  Bottom w0.17: v1(72.21,19.21) 72.21,18.98 72.94,18.26 72.94,12.56 73.78,11.72 v1(74.01,11.72) ; v1(108,12.06) 108.17,11.89 119.84,11.89 v1(120,12.06)
VDC: length 55.2
  Top w0.2: 100.83,12.77 100.9,12.84
  Top w0.3: R53.1 71.64,5.21 v1(99.14,5.21) ; v1(102.26,12.53) 102.64,12.16 v1(102.64,8.7)
  Top w0.6: U15.5 v1(129.22,50.55) ; C68.2 100.83,12.77 ; U16.5 140.02,53.76 141.56,52.22 D15.1 ; C65.2 98.8,12.78
  Bottom w0.3: v1(99.14,5.21) v1(102.64,8.7)
  vias: v1(95.85,23.83) v1(95.85,22.83) v1(96.71,23.83) v1(96.71,22.83) v1(97.58,23.82) v1(97.58,22.82) v1(98.26,13.53) v1(98.26,12.53) v1(98.45,23.82) v1(98.45,22.82) v1(98.45,21.82) v1(98.45,20.82) v1(99.32,23.81) v1(99.32,22.81) v1(99.32,21.81) v1(99.32,20.81) v1(99.26,13.53) v1(99.26,12.53) v1(100.26,13.53) v1(100.26,12.53) v1(101.26,13.53) v1(101.26,12.53) v1(102.26,13.53) v1(129.22,51.86) v1(129.22,51.21) v1(147.85,50) v1(147.85,49) v1(147.85,48) v1(148.85,50) v1(148.85,49) v1(148.85,48) v1(149.85,50) v1(149.85,49) v1(149.85,48) v1(150.85,50) v1(150.85,49) v1(150.85,48) v1(150.85,47) v1(150.85,46) v1(151.85,50) v1(151.85,49) v1(151.85,48) v1(151.85,47) v1(151.85,46) v1(152.85,50) v1(152.85,49) v1(152.85,48) v1(152.85,47) v1(152.85,46) v1(153.85,50) v1(153.85,49) v1(153.85,48) v1(153.85,47) v1(153.85,46) v1(154.85,50) v1(154.85,49) v1(154.85,48) v1(154.85,47) v1(154.85,46) v1(155.85,50) v1(155.85,49) v1(155.85,48) v1(155.85,47) v1(155.85,46) v1(156.85,50) v1(156.85,49) v1(156.85,48) v1(156.85,47) v1(156.85,46) v1(157.85,50) v1(157.85,49) v1(157.85,48) v1(157.85,47) v1(157.85,46)
VPullup: length 9.4
  Top w0.3: R2.2 69.26,7.59 D24.1 ; v1(67.48,8.35) D24.1 ; D24.1 R53.2
  Bottom w0.3: v1(67.48,8.35) 65.85,8.35 TP13.1
Net-(A1-TCP0_HPD): length 2.9
  Top w0.3: R76.1 79.55,10.53 A1.187
Net-(A1-TCP1_HPD): length 2.9
  Top w0.3: A1.185 79.05,10.53 R77.1
Net-(A1-~{BIOS_SEL}): length 15
  Top w0.2: v1(64.79,10.9) 64.05,11.64 A1.133 ; R2.1 v1(71.43,6.57) 71.43,8.37 68.8,11
  Bottom w0.2: 64.79,11 v1(64.79,10.9) 68.7,10.9 68.8,11 ; v1(71.43,6.57) 72.53,6.57 TP7.1
  vias: v1(68.8,10.9)
Net-(A1-~{CLKREQ3}): length 3
  Top w0.3: A1.100 55.8,23.26 R79.1
Net-(A1-~{CLKREQ4}): length 3
  Top w0.3: A1.102 56.3,23.26 R78.1
Net-(BT1-+): length 6.7
  Top w0.4: BT1.1 26.4,49.03 R1.2
Net-(D9-A): length 1.2
  Top w0.4: D9.2 R30.1
Net-(D9-K): length 13
  Top w0.3: J15.10 116.41,7.38 111.79,2.76 108.03,2.76 D9.1
Net-(D22-A): length 1.3
  Top w0.4: 21.26,7.23 21.26,5.91
Net-(D22-K): length 2.9
  Top w0.4: D22.1 23.8,4.36 Q8.3
Net-(D26-A): length 6
  Top w0.4: 20.02,68.9 R72.2 20.02,71.09 D26.2 19.8,71.51 M1.3
Net-(J3-+5V): length 15.1
  Top w0.3: 115.44,71.85 J3.18
  Top w0.508: 115.44,71.85 117.1,73.51 119.8,73.51 121.8,71.51 121.8,66.84 F1.2
Net-(J4A-VBUS1): length 25.9
  Top w1: 16.62,46 12.97,49.65 3.93,49.65 2.4,48.12 2.4,45.11 4.35,43.16 J4.1
Net-(J4B-VBUS2): length 14.6
  Top w0.4: F5.2 15.89,43.97 15.1,44.76 15.1,46.06 12.7,48.46 10.8,48.46 9.5,47.16 9.5,45.3 11.27,43.53
Net-(J5-VBUS1): length 6.3
  Top w0.6: J5.1 10.95,22.55 15.5,22.55
Net-(J5-VBUS2): length 3.6
  Top w0.6: F3.2 15.23,23.8 J5.5
Net-(J15-DEVSLP): length 3
  Top w0.2: J15.38 v1(115.8,14.38)
  Bottom w0.2: TP2.1 v1(115.8,14.38)
Net-(J15-SUSCLK): length 2.8
  Top w0.3: J15.68 120.2,21.88
Net-(J16-SUSCLK): length 2.9
  Top w0.2: R33.1 120.18,42.37 J16.50
Net-(J16-~{W_DISABLE1}): length 3.1
  Top w0.25: R34.1 118.76,44.26 118.37,43.87 J16.56
Net-(J16-~{W_DISABLE2}): length 3.2
  Top w0.2: J16.54 118.4,43.37 118.75,43.71 119.83,43.71 R35.2
Net-(J79-Pin_1): length 5.7
  Top w1.2: F78.2 151.3,18.26
  Bottom w1.2: J79.1 151,18.26
  vias: v1(150.85,18.56) v1(150.85,17.96) v1(151.55,18.56) v1(151.55,17.96)
Net-(J80-Pin_1): length 9.7
  Top w0.8: J80.1 149.93,26.33 F79.2
Net-(JP78-B): length 6.1
  Top w0.2: Gain.2 143.72,27.42 146.99,30.69 U79.2
Net-(JP79-C): length 7.1
  Top w0.2: R46.1 37.68,4 33.32,4 33.32,3.99 31.76,3.99 31.7,4.05 JP79.2
Net-(M1-PWM): length 2.5
  Top w0.4: R69.2 17.42,74.36
Net-(Q1-D): length 2.4
  Top w0.25: R6.1 119.98,59.94 ; 119.98,59.94 Q1.3 ; 119.98,59.94 119.47,59.94
Net-(Q4-D): length 27.5
  Top w0.2: v1(112.2,60.88) 112.2,61.6
  Top w0.205: v1(114.21,60.38) 114.2,60.4 R7.2 ; R17.2 105.2,61.36 v1(104.72,60.89) ; 109.7,61.61 109.7,60.9 v1(109.69,60.9) ; 109.7,61.61 R13.2 ; 109.7,61.61 R10.2 ; R8.2 R9.2 ; 107.19,61.61 107.19,60.89 v1(107.2,60.89) ; 107.19,61.61 R14.2 ; 107.19,61.61 R16.2
  Top w0.4: v1(122.99,59.94) 123.43,59.5 Q4.3
  Bottom w0.4: v1(122.99,59.94) 114.66,59.94 v1(114.21,60.38) 113.71,60.88 v1(112.2,60.88) ; v1(107.2,60.89) 109.69,60.89 ; v1(109.69,60.9) 112.18,60.9 ; v1(104.72,60.89) 107.19,60.89
Net-(Q4-G): length 4.4
  Top w0.2: Q4.1 122.86,56.62 124.66,58.42 124.66,59.91
Net-(Q8-G): length 3.1
  Top w0.4: Q8.1 24.3,7.18 R47.2 R49.2
Net-(U15-BOOST): length 1.7
  Top w0.4: C70.2 U15.1
Net-(U15-FB): length 3.5
  Top w0.4: R58.2 128.2,59.55 ; 128.25,59.59 127.25,59.59 ; U15.3 128.27,58.58
Net-(U15-SW): length 8.2
  Top w0.4: C70.1 131.13,55.68 U15.6
  Top w0.6: 130.27,54.62 U15.6
  Top w0.8: L1.1 130.46,54.62 130.37,54.72
Net-(U16-BOOST): length 1.7
  Top w0.4: C71.2 140.96,57.01
Net-(U16-FB): length 3.5
  Top w0.4: R59.1 137.98,58.67 ; 139.07,58.57 139.07,57.07 ; 137.97,58.64 139,58.64
Net-(U16-SW): length 8.1
  Top w0.4: C71.1 141.92,55.74 140.97,54.79
  Top w0.6: 141.07,54.62 U16.6
  Top w0.8: L2.1 141.07,54.62
Net-(U79-*SD_MODE): length 10.8
  Top w0.2: U79.4 147.99,30.41 v1(148,30.4) 148,30.4 R80.2
  Top w0.205: SD_Mode.1 142.99,29.09 v1(144.1,29.09)
  Bottom w0.205: v1(144.1,29.09) 146.69,29.09 v1(148,30.4)
Net-(U79-OUTN): length 11.3
  Top w0.25: LS78.1 153.36,38.26 149.58,38.26 147.49,36.17 U79.10
Net-(U79-OUTP): length 9.7
  Top w0.25: U79.9 147.99,35.96 149.79,37.76 LS78.2

## Copper pours and planes (outline as drawn; the poured copper is in the pictures)
+3V3 on Top (solid shape): 146.65,57.07 146.65,58.17 146.73,59.45 146.73,60.35 141.28,60.35 141.28,59.45 142.78,59.45 142.95,58.17 142.95,57.07
+3V3 on Top: 21.58,8.2 21.58,9.74 19.94,9.74 19.94,8.2
+3V3 on Top: 116.65,9.53 118.2,9.53 118.2,9.03 121.2,9.03 121.2,7.73 116.65,7.73
+3V3 on Top: 116.65,22.23 116.65,25.54 118.2,25.54 118.2,22.23
+3V3 on Top: 116.62,31.02 116.62,28.14 118.17,28.14 118.17,31.02
+3V3 on Top: 121.04,42.94 121.04,44.58 123.4,44.58 123.4,42.94
+3V3 on Top: 142.95,58.17 142.95,55.39 146.65,55.39 146.65,58.17
+5V on Top (solid shape): 130.61,60.35 130.61,59.45 132.11,59.45 132.21,58.17 132.21,57.07 135.91,57.07 135.91,58.17 136.06,59.45 136.06,60.35
+5V on Top: 148.55,18.96 148.55,16.05 146.4,16.05 146.4,18.96
+5V on Top: 132.21,58.17 132.21,55.39 135.91,55.39 135.91,58.17
+5V on Top: 148.55,23.56 146.4,23.56 146.4,26.47 148.53,26.47
+5V on Top: 17.11,21.63 17.12,24.94 19.93,24.94 19.93,21.63
+12V on Top: 147.8,54.76 147.8,57.76 150.3,57.76 150.3,63.26 158.3,63.26 158.3,54.76
GND on Top, Bottom: 160.8,-0.74 -1.2,-0.74 -1.2,80.26 160.8,80.26
GND on In1.GND: -1,80 161,80 161,-1 -1,-1
GND on In2.PWR: 160.8,80.26 -1.2,80.26 -1.2,-0.74 160.8,-0.74
GND on In2.PWR: 12.03,40.91 14.01,40.91 14.01,38.41 12.03,38.41
GND on In2.PWR: 10.65,37.34 10.12,36.4 10.52,35.29 12.6,36.43 11.76,37.34
VDC on Top: 158.3,53.76 147.3,53.76 147.3,45.5 158.3,45.5
VDC on Top: 95.15,20.38 99.7,20.38 99.7,24.24 95.15,24.24
VDC on Top: 103,12.18 103,13.93 95.4,13.93 95.4,12.18
VDC on Bottom: 95.4,32.76 115.8,53.5 158.3,53.5 158.3,45.5 119.15,45.5 103.4,29.48 103.4,12.18 95.4,12.18

Small or netless copper shapes (teardrops, artwork), in the pictures only: 601 on Top, 157 on Bottom, 6 on In2.PWR

## Text on the board
B.Silkscreen: Cyberdeck Carrier | LattePanda Mu
F.Fab: USB_A_Stacked
F.Silkscreen: R79 | - | + | CR1220 | ~{PSON} | PWR_EN | ~{SLP} | Speaker | FAN | USB3.0 | USB2.0 | HDMI | Power in / 20V Max | + - | M.2 M KEY | M.2 E KEY | Cyberdeck Carrier | LattePanda Mu
